# Altium PCB SPEC-A7.PcbDoc (part 7 of 10)
Units mil, origin at the board's own origin, x right, y up, seen from the top; angles counter-clockwise.
Board outline 6299.21 x 3937.01 mil, 6 copper layers (Top Layer, L2, L3, L4, L5, Bottom Layer), stack 61.319 mil thick; 731 components, 479 nets, 2733 pads, 1703 vias.
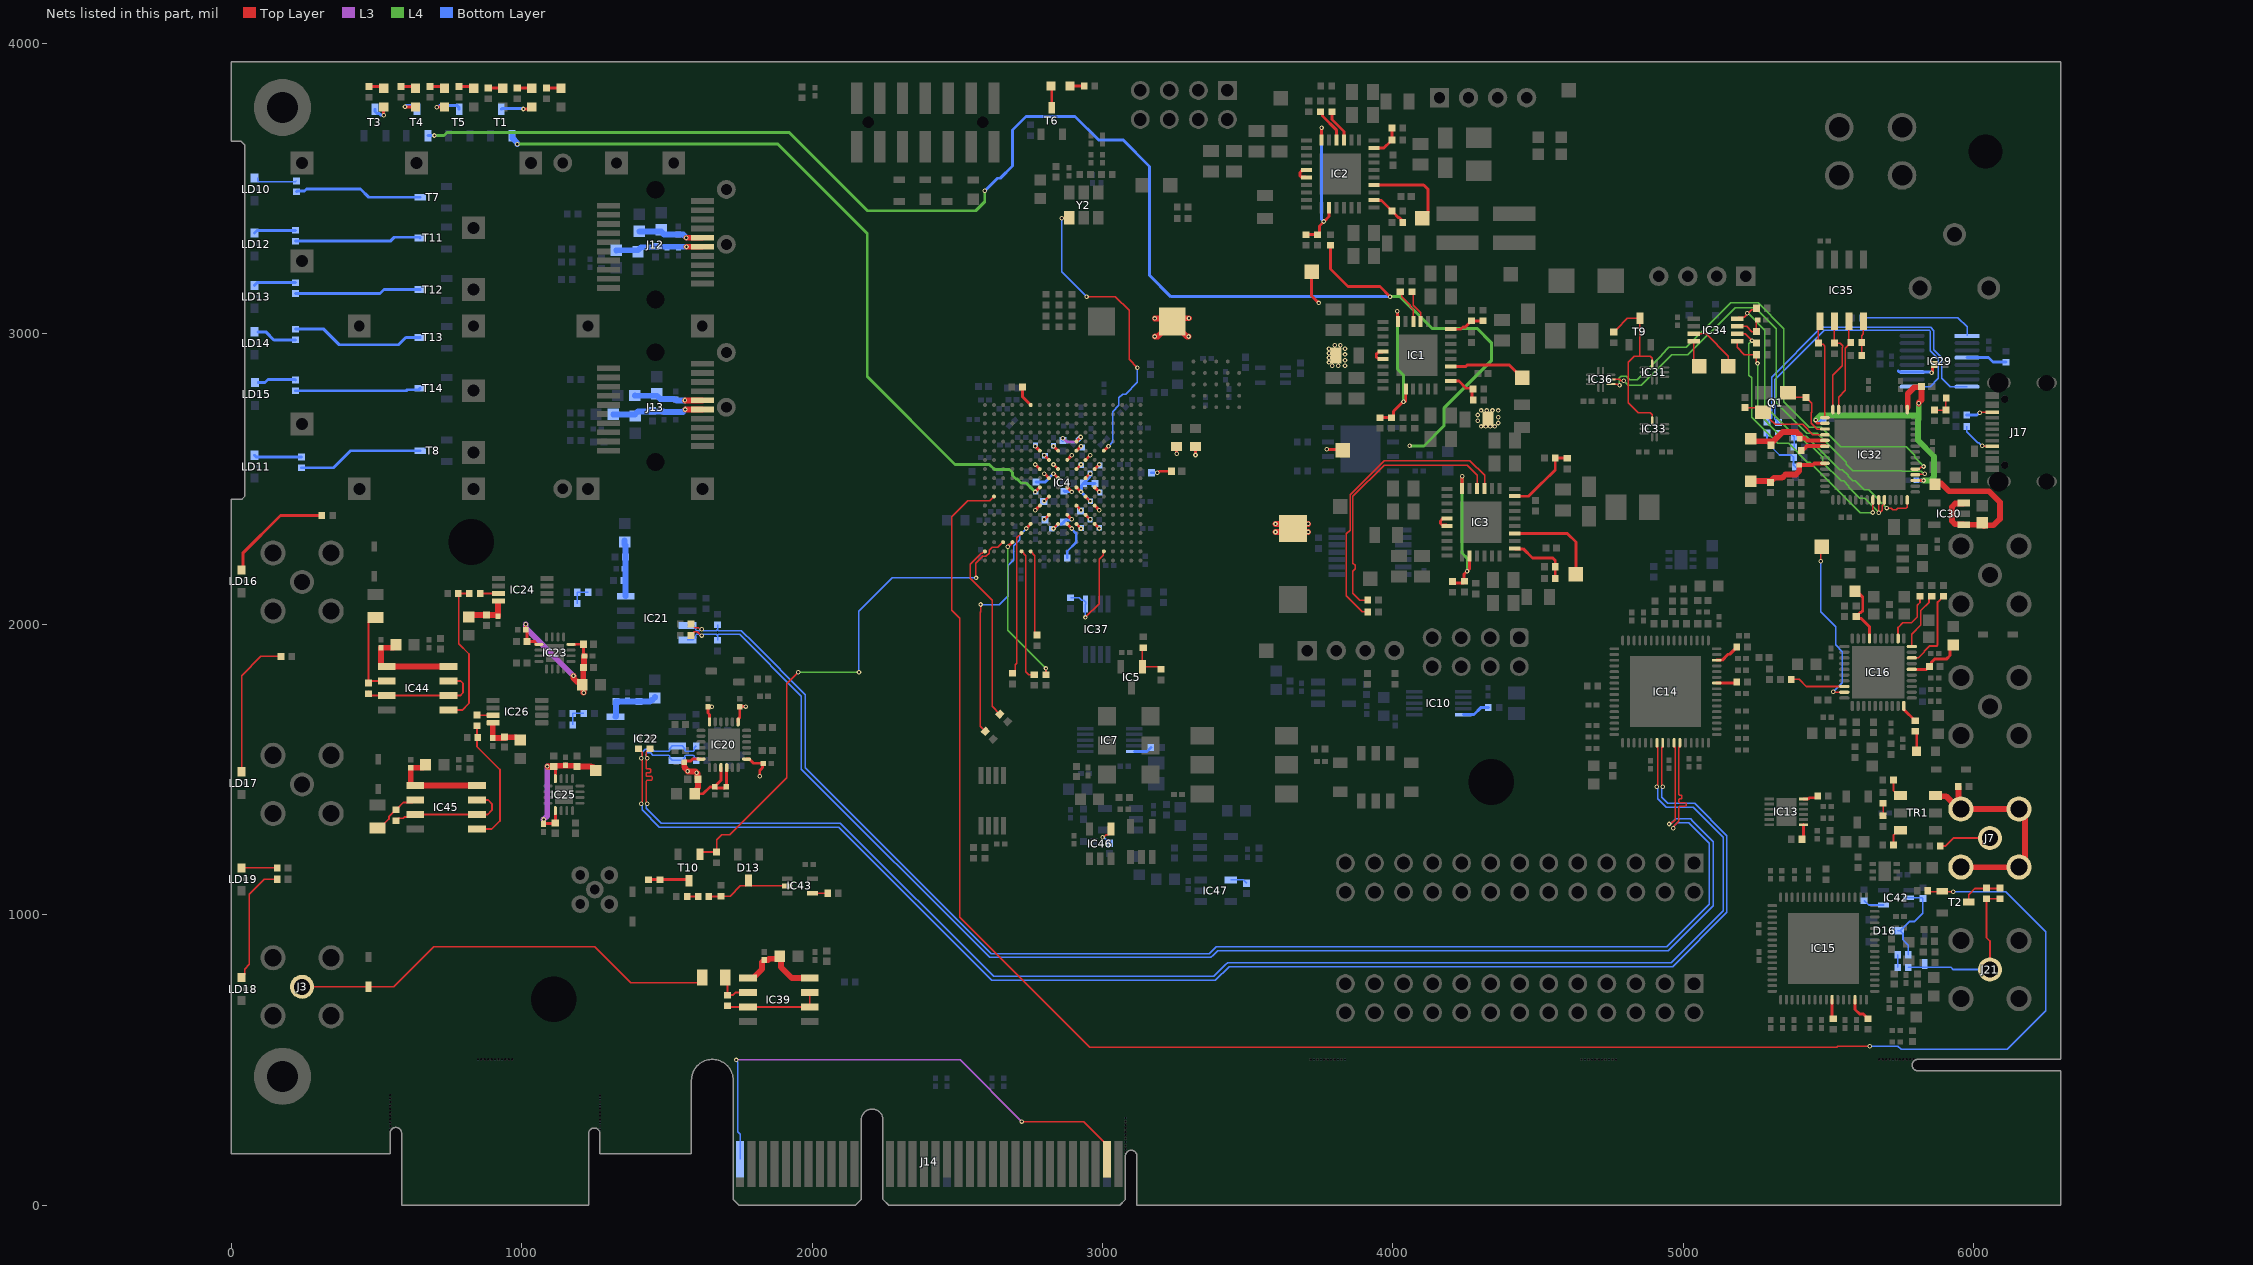
[diagram p11: the nets of this part, all layers, seen from the top]

## Via types
v1: diameter 15.75, hole 7.87, Top Layer to Bottom Layer, tented both sides, 1583 vias
v2: diameter 19.68, hole 7.87, Top Layer to Bottom Layer, tented both sides, 73 vias
v3: diameter 15.75, hole 7.87, Top Layer to Bottom Layer, 47 vias

## Nets (pads, with @x,y where several pads share a name; then routed paths per layer and width w, separated by ;. In a path a pad name is that pad's centre, name@x,y a point inside that pad or via, vN(x,y) a via of type N, cw(c..) or ccw(c..) an arc to the next point about the centre after c; other vN are vias at no path point) (continued)
NetC245_2: C245.2 FB16.2 IC16.26 | length 196.8
  Top Layer w10: IC16.26@5786.14,1844.84 5837.13,1844.84 C245.2@5847.28,1855 5854.49,1862.2 5854.49,1869.14 5866.49,1881.14 5906.42,1881.14 5917.87,1892.6 5917.87,1917.87 FB16.2@5929.13,1929.13
NetC246_2: C246.2 FB17.2 IC16.37 | length 226.3
  Top Layer w10: FB17.2@5585,2125.47 5617.2,2093.27 5617.2,2046.37 5611.35,2040.51 5608.23,2040.51 C246.2@5595,2027.28 5602.2,2020.08 5612.2,2020.08 5640.47,1991.81 IC16.37@5640.47,1951.14 ; FB17.2@5585.67,2114.17 FB17.2@5588.58,2114.17
NetC247_2: C247.2 C248.2 C249.2 FB18.2 IC21.8 | length 193.6
  Bottom Layer w20: FB18.2@1354.33,2288.34 1354.33,2275.14 1357.38,2272.08 C249.2@1357.38,2231.42 1357.38,2191.42 1357.38,2097.4 IC21.8@1358.37,2096.42
NetC250_2: C250.2 C251.2 C252.2 C253.2 C254.2 C255.2 C256.2 FB19.2 IC20.1 IC20.6 IC20.12 IC20.15 IC20.16 IC20.19 | length 739.4
  Top Layer w10: C253.2@1559.81,1525.2 1563.67,1529.06 1582.31,1529.06 1589.24,1535.99 IC20.12@1617.29,1535.99 ; FB19.2@1591.28,1416.42 1624.67,1416.42 1648.45,1440.2 C252.2@1664.67,1440.2 ; IC20.6@1646.81,1663.94 1646.81,1689.27 1641.44,1694.65 1641.44,1716.84 1641.83,1716.45 v1(1655.11,1716.47) ; IC20.15@1686.19,1506.46 1686.19,1480.11 1687.03,1479.26 1687.03,1463.55 1664.67,1441.18 C252.2@1664.67,1440.2 ; IC20.16@1705.87,1506.46 1705.87,1496.13 1704.67,1494.93 1704.67,1439.84 1700.81,1435.98 1668.53,1435.98 1664.67,1439.84 C252.2@1664.67,1440.2 ; IC20.1@1745.24,1663.94 1745.24,1674.28 1751.03,1680.06 C254.2@1751.03,1716.42 1751.19,1716.59 1771.27,1716.59 v1(1771.43,1716.75) ; IC20.19@1774.77,1535.99 1784.12,1535.99 1785.73,1534.38 1785.73,1533.57 1797.89,1521.42 1831.03,1521.42 C250.2@1832.25,1520.2 1828.96,1516.91 1828.96,1506.35 1819.67,1497.05 v1(1819.67,1476.42)
  Top Layer w20: C253.2@1559.81,1525.2 1559.81,1508.2 v1@1571.38,1496.62 ; v1(1571.38,1494.36) 1572.12,1493.62 1597.76,1493.62 1605.18,1486.2 1605.18,1468.62 C256.2@1607.38,1466.42 1607.38,1437 1603.06,1432.67 1603.06,1425.28 1594.79,1417.01 FB19.2@1590.88,1417.01
  other v1: 1602.27,1489.11
NetC257_2: C257.2 C258.2 C259.2 FB20.2 IC22.8 | length 195.8
  Bottom Layer w20: IC22.8@1323.37,1681.42 1324.67,1682.72 C257.2@1324.67,1733.7 C259.2@1404.67,1733.7 1441.94,1733.7 1447.17,1738.93 1450.08,1738.93 1458.94,1747.79 FB20.2@1458.94,1750.7
NetC260_2: C260.2 C261.2 C262.2 C263.2 C264.2 FB21.2 IC23.8 IC23.13 | length 610.1
  Top Layer w10: C262.2@1013.86,1981.38 C262.2@1013.86,1981.38 v1(1013.94,2000.07) v1(1013.94,2000.07) ; C262.2@1017.8,1977.52 C264.2@1017.8,1941.38 1043.35,1941.38 1049.21,1935.52 1049.21,1930.98 1049.29,1930.91 IC23.13@1059.96,1930.91 ; IC23.8@1170.2,1930.91 1170.28,1930.98 1184.76,1930.98 1185.16,1931.38 C263.2@1212.36,1931.38 C261.2@1212.36,1895.24
  Top Layer w20: v1(1178.6,1822.34) 1178.6,1814.55 1192.91,1800.24 1204.6,1800.24 FB21.2@1213.46,1791.38 ; FB21.2@1212.36,1792.48 C260.2@1212.36,1851.38 1214.57,1853.58 1214.57,1889.65 C261.2@1216.3,1891.38 ; v1(1213.46,1764.22) FB21.2@1213.46,1791.38 ; FB21.2@1213.6,1792.56 1212.94,1791.9 FB21.2@1213.46,1791.38
  L3 w20: v1(1013.94,2000.07) 1013.86,1999.99 1013.86,1987.09 v1(1178.6,1822.34)
NetC265_2: C265.2 C266.2 FB22.2 IC24.8 | length 155.1
  Top Layer w20: FB22.2@818.46,2020.51 818.46,2022.75 827.33,2031.61 C265.2@878.46,2031.61 914.53,2031.61 C266.2@918.46,2027.68 918.46,2074.28 IC24.8@919.12,2074.94
NetC267_2: C267.2 C268.2 C269.2 C270.2 C271.2 FB23.2 IC25.8 IC25.13 | length 505.4
  Top Layer w10: v1(1075.67,1328.01) C269.2@1075.67,1312.17 1077.64,1314.13 1113.7,1314.13 C267.2@1115.67,1316.1 1116.06,1316.5 1116.06,1358.19 IC25.13@1116.14,1358.27 ; C270.2@1110.67,1510.67 1116.06,1505.28 1116.06,1468.58 IC25.8@1116.14,1468.5
  Top Layer w20: v1(1087.95,1510.67) C270.2@1110.67,1510.67 1112.87,1512.87 1148.94,1512.87 C268.2@1150.67,1514.61 1152.4,1512.87 1188.46,1512.87 C271.2@1190.67,1510.67 1234.18,1510.67 cw(c1234.18,1480.28) 1251,1505.59 FB23.2@1255.67,1501.77
  L3 w20: v1(1075.67,1328.01) 1087.95,1340.3 v1(1087.95,1510.67)
NetC272_2: C272.2 C273.2 FB24.2 IC26.8 | length 156.3
  Top Layer w20: IC26.8@900.59,1660.04 C273.2@900.59,1608.35 C272.2@943.46,1608.35 ; C272.2@941.77,1611.11 980.7,1611.11 983.85,1607.96 986.73,1607.96 995.59,1599.09 FB24.2@995.59,1596.18
NetC283_2: C283.2 C284.2 C285.2 C286.2 J12.15 L3.2 | length 302.2
  Top Layer w20: v1(1567.56,3299.49) J12.15@1622.05,3299.49
  Bottom Layer w20: L3.2@1325.63,3287.09 1326.08,3287.54 1400.18,3287.54 1400.63,3287.99 1410.71,3298.07 1458.43,3298.07 C284.2@1460.63,3300.28 1461.42,3299.49 v1(1567.56,3299.49)
NetC287_2: C287.2 C288.2 J12.16 L4.2 | length 225.5
  Top Layer w20: v1(1567.2,3330.98) J12.16@1622.05,3330.98
  Bottom Layer w20: L4.2@1405.63,3353.03 1406.08,3352.58 1480.18,3352.58 1480.63,3352.13 1491.26,3341.5 1556.69,3341.5 v1(1567.2,3330.98)
NetC291_2: C291.2 C292.2 C293.2 C294.2 J13.15 L5.2 | length 317.2
  Top Layer w20: v1(1563.7,2739.49) J13.15@1622.05,2739.49
  Bottom Layer w20: L5.2@1315.16,2722.56 1315.37,2722.78 1390.41,2722.78 1390.63,2722.99 1400.71,2733.07 1448.43,2733.07 C292.2@1450.63,2735.28 1452.83,2733.07 1488.9,2733.07 C293.2@1490.63,2731.34 C294.2@1530.63,2731.34 1555.55,2731.34 v1(1563.7,2739.49)
NetC295_2: C295.2 C296.2 J13.16 L6.2 | length 239.6
  Top Layer w20: v1(1562.2,2770.98) J13.16@1622.05,2770.98
  Bottom Layer w20: L6.2@1390.16,2787.56 1389.72,2787.13 1465.63,2787.13 1477.28,2775.47 1524.17,2775.47 1525.87,2773.78 C296.2@1530.63,2773.78 1533.43,2770.98 v1(1562.2,2770.98)
NetC301_2: C301.2 IC30.1 IC30.3 L7.2 | length 564.5
  Top Layer w20: 5887.62,2485.04 5914.55,2458.11 6051.89,2458.11 6090,2420 6090,2362.94 6067.85,2340.78 6036.33,2340.78 6034.36,2338.82 6030.27,2342.91 IC30.1@5965.54,2342.91 5963.73,2344.72 5934.95,2344.72 5924.36,2355.31 5924.36,2404.19 5936.08,2415.9 5963.73,2415.9 IC30.3@5965.54,2417.71
NetC303_2: C303.2 FB27.2 IC39.1 IC39.8 | length 297.3
  Top Layer w20: IC39.1@1779.05,782.58 1797.76,782.58 1827.85,812.68 1827.85,836.3 C303.2@1835.35,843.8 1847.71,843.8 1852.63,848.72 1891.69,848.72 1892.51,847.9 1892.51,820.43 1930.35,782.58 IC39.8@1991.65,782.58
NetC312_2: C312.2 IC32.3 Q1.1 | length 248.8
  Top Layer w5: Q1.1@5380,2816.64 Q1.1@5360.37,2797.01 5376.12,2781.26 C312.2@5422.06,2781.26 5431.77,2771.56 5431.77,2771.14 5441.77,2761.14 5441.77,2730.52 5440,2728.75 5440,2692.98 5460.69,2672.28 IC32.3@5487.06,2672.28
NetC313_2: C313.2 IC32.4 Q1.3 | length 315.9
  Top Layer w5: C313.2@5212.06,2745.83 5258.01,2745.83 Q1.3@5273.75,2730.08 5277.69,2730.08 5298.81,2708.96 5298.81,2705.02 5315.86,2687.98 5410,2687.98 5445.38,2652.6 IC32.4@5487.06,2652.6
NetC314_1: C314.1 IC34.7 R115.2 | length 114.4
  Top Layer w5: IC34.7@5184.8,3025.77 5217.2,3025.77 5235,3007.98 R115.2@5251.5,3007.98 5251.5,3047.19 C314.1@5252.28,3047.98
NetC315_2: C315.2 C316.2 IC32.5 L8.2 | length 294.2
  Top Layer w14: C316.2@5400.84,2638.54 5402.7,2640.4 5410.24,2640.4 5411.88,2642.04 5415.94,2642.04 5425,2632.98 5487,2632.98 IC32.5@5487.06,2632.91
  Top Layer w20: L8.2@5232.06,2638.07 5240.21,2629.92 5309.59,2629.92 5342.08,2662.4 5389.34,2662.4 5400.84,2650.9 C316.2@5400.84,2638.54
NetC317_2: C317.2 C318.2 IC32.9 L9.2 | length 292.3
  Top Layer w14: C318.2@5398.78,2547.98 5445,2547.98 5451.2,2554.17 IC32.9@5487.06,2554.17
  Top Layer w20: L9.2@5232.06,2493.07 5301.16,2493.07 5302.06,2493.98 5312.73,2504.65 5339.82,2504.65 5350.93,2515.75 5387.06,2515.75 5398.78,2527.46 C318.2@5398.78,2547.98
NetC333_1: C333.1 R174.2 R175.1 | length 181.8
  Bottom Layer w6: R175.1@5287.4,2658.66 5287.4,2625.98 5330.71,2582.68 5371.26,2582.68 R174.2@5379.13,2574.8 5379.13,2548.03 C333.1@5385.83,2541.34
NetC334_2: C334.2 R176.2 R200.1 | length 96.6
  Bottom Layer w6: R200.1@5326.77,2657.48 5370.08,2657.48 C334.2@5381.89,2645.67 5381.89,2612.99 R176.2@5379.13,2610.24
NetC338_2: C338.2 IC46.4 | length 79.3
  Top Layer w5: v3(3000,1266.72) 3002.91,1266.72 3012.31,1276.12 3020.22,1276.12 3029.53,1285.43 IC46.4@3029.53,1295.28
  Bottom Layer w5: v3(3000,1266.72) 3002.06,1264.66 3005.02,1264.66 C338.2@3023.62,1246.06
NetC339_2: C339.2 IC47.4 | length 60
  Bottom Layer w5: IC47.4@3440.94,1120.08 3484.25,1120.08 C339.2@3496.06,1108.27
NetC354_2: C354.2 FB30.2 IC44.1 IC44.8 | length 351.8
  Top Layer w20: FB30.2@566.93,1929.13 566.93,1928.15 558.23,1919.45 518.23,1919.45 518.07,1919.29 C354.2@515.75,1919.29 515.75,1856.34 517.56,1854.53 IC44.1@535.43,1854.53 IC44.8@748.03,1854.53
NetC357_2: C357.2 FB31.2 IC45.1 IC45.8 | length 343.9
  Top Layer w20: FB31.2@669.29,1515.75 669.29,1514.76 660.59,1506.06 620.59,1506.06 620.43,1505.91 C357.2@618.11,1505.91 618.11,1446.89 619.92,1445.08 IC45.1@633.86,1445.08 IC45.8@846.46,1445.08
NetD13_3: D13.3 IC43.2 R148.2 R152.2 | length 283
  Top Layer w6: R148.2@1644.65,1062.51 1684.65,1062.51 R152.2@1686.14,1064 1717.64,1064 1753.2,1099.56 1771.35,1099.56 D13.3@1781.14,1109.36 ; D13.3@1781.14,1117.23 D13.3@1781.14,1109.36 ; IC43.2@1896.29,1099.56 1829.09,1099.56 1790.94,1099.56 D13.3@1781.14,1109.36
NetD14_1: D14.1 J3.1 R154.1 | length 1490.2
  Top Layer w6: J3.1@244.09,751.97 D14.1@472.44,751.97 559.06,751.97 696.85,889.76 1251.97,889.76 1375.64,766.09 R154.1@1625.98,766.09
NetD15_1: D15.1 J21.1 R80.1 R165.2 R166.2 | length 580.2
  Top Layer w6: J21.1@6055.12,811.02 6055.12,909.45 6043.31,921.26 R165.2@6043.31,1055.12 R166.2@6090.55,1055.12
  Bottom Layer w6: R80.1@5774.41,818.9 5921.26,818.9 5929.13,811.02 J21.1@6055.12,811.02
NetD16_3: D16.3 IC42.2 R83.2 R177.2 | length 308.4
  Bottom Layer w6: D16.3@5738.19,944.88 D16.3@5746.06,944.88 ; IC42.2@5772.96,1058.74 5821.39,1058.74 R177.2@5824.14,1055.99 5824.14,1005.24 5795.28,976.38 5777.56,976.38 D16.3@5746.06,944.88 ; R83.2@5774.41,862.2 5774.41,894.88 5755.86,913.43 5755.86,935.09 D16.3@5746.06,944.88
NetIC1_3: IC1.3 R6.2 | length 111.9
  Top Layer w5: R6.2@4070,3144.47 4070,3097.98 4095.11,3072.87 IC1.3@4095.11,3042.96
NetIC1_4: IC1.4 R10.2 | length 118.1
  Top Layer w5: R10.2@4030,3144.47 4030,3127.98 4060,3097.98 4060,3093.84 4070,3083.84 IC1.4@4070,3042.98
NetIC1_6: IC1.6 IC1.18 R4.1 R9.2 | length 518
  Top Layer w10: R9.2@3955,2711.48 3995.79,2711.48 4002.2,2717.9 4002.2,2733.26 4035.47,2766.52 v1(4036.06,2766.52) ; v1(4015,3077.98) 4015,3076.42 4016.14,3075.29 4016.14,3044.85 IC1.6@4018.03,3042.96 ; v1@4038.36,2764.22 4043.93,2769.79 IC1.18@4043.93,2809.69
  L4 w10: v1(4015,3077.98) 4015,3032.14 4016.14,3031 4016.14,3016.2 4015,3015.06 4015,2878.39 4036.06,2857.33 v1(4036.06,2766.52)
NetIC1_11: IC1.11 IC1.12 | length 62.3
  Top Layer w10: IC1.12@3965.68,2913.53 3963.79,2915.42 3948.13,2915.42 3942.27,2921.28 3942.27,2929.56 3949.94,2937.23 3963.79,2937.23 IC1.11@3965.68,2939.12
NetIC1_24: IC1.24 R13.2 R14.1 | length 125
  Top Layer w10: IC1.24@4198.95,2836.76 4199.55,2837.36 4226.85,2837.36 4251.44,2812.76 4266.71,2812.76 4271.5,2807.98 R14.1@4271.5,2767.98
NetIC1_26: IC1.26 TP1.1 | length 266.5
  Top Layer w10: IC1.26@4198.95,2887.94 4250.94,2887.94 4255.66,2892.66 4400.31,2892.66 TP1.1@4445,2847.98
NetIC1_31: IC1.31 R11.1 R12.2 | length 122.9
  Top Layer w10: IC1.31@4198.95,3015.89 4232.91,3015.89 4240.94,3023.91 4248.65,3023.91 4269.21,3044.47 R11.1@4270,3044.47 R12.2@4310,3044.47
NetIC2_3: IC2.3 R17.2 | length 114.1
  Top Layer w10: R17.2@3790,3764.47 3790,3737.98 3831.16,3696.82 IC2.3@3831.16,3667.41
NetIC2_4: IC2.4 R19.2 | length 120.7
  Top Layer w10: R19.2@3750,3764.47 3750.79,3764.47 3757.2,3758.06 3757.2,3749.56 3806.05,3700.71 IC2.4@3806.05,3667.43
NetIC2_6: IC2.6 IC2.18 R16.1 R18.2 | length 518.7
  Top Layer w10: R16.1@3700,3341.48 R18.2@3740,3341.48 3740.79,3341.48 3747.2,3347.9 3747.2,3370.91 v1@3760.87,3384.58 ; IC2.6@3754.07,3667.41 v1(3754.07,3709.7) ; v1@3761.31,3384.14 v1(3761.31,3386.67) ; v1@3762.14,3385.84 3779.98,3403.69 IC2.18@3779.98,3434.14
  Bottom Layer w10: v1(3754.07,3709.7) 3754.07,3393.9 v1(3761.31,3386.67)
NetIC2_11: IC2.11 IC2.12 | length 61.1
  Top Layer w10: IC2.12@3701.73,3537.98 3699.84,3539.87 3683.97,3539.87 3680,3543.84 3680,3555.82 3685.86,3561.68 3699.84,3561.68 IC2.11@3701.73,3563.57
NetIC2_24: IC2.24 R22.1 R23.2 | length 135.5
  Top Layer w10: IC2.24@3935,3461.21 3936.89,3459.32 3960.16,3459.32 3989.29,3430.18 3990.08,3430.18 3996.5,3423.77 R23.2@3996.5,3422.98 3996.5,3422.19 4002.91,3415.77 4003.7,3415.77 4012.09,3407.39 4012.09,3406.63 4017.94,3400.77 4021.23,3400.77 4027.09,3394.92 4027.09,3389.39 R22.1@4033.5,3382.98
NetIC2_26: IC2.26 TP2.1 | length 299.3
  Top Layer w10: IC2.26@3935,3512.39 4105.59,3512.39 4120,3497.98 4120,3417.98 TP2.1@4100,3397.98
NetIC2_31: IC2.31 R20.1 R21.2 | length 113.4
  Top Layer w10: IC2.31@3935,3640.34 3968.86,3640.34 3989.29,3660.77 3990.08,3660.77 3996.5,3667.19 R21.2@3996.5,3667.98 R20.1@3996.5,3707.98
NetIC3_3: IC3.3 R26.2 | length 1027.1
  Top Layer w5: R26.2@3913.27,2042.98 3894.03,2042.98 3838.96,2098.05 3838.96,2311.21 3852.15,2324.4 3852.15,2445.12 3970,2562.98 4265,2562.98 4315.11,2512.87 IC3.3@4315.11,2467.96
NetIC3_4: IC3.4 R28.2 | length 932.8
  Top Layer w5: R28.2@3913.27,2082.98 3885.53,2082.98 3862.2,2106.3 3862.2,2182.98 3869.7,2190.48 3869.7,2203.22 3862.2,2210.72 3862.2,2440.18 3970,2547.98 4255,2547.98 4290,2512.98 IC3.4@4290,2467.98
NetIC3_6: IC3.6 IC3.18 R25.2 R27.1 | length 517.2
  Top Layer w10: R27.1@4205,2141.48 4245,2141.48 4245,2172.98 4254.66,2182.64 v1(4255,2182.64) ; IC3.6@4238.03,2467.96 v1(4238.03,2509.56) ; v1@4255,2182.98 4263.93,2191.91 IC3.18@4263.93,2234.69
  L4 w10: v1(4238.03,2509.56) 4238.03,2244.95 4255.9,2227.08 4255.9,2183.54 v1(4255,2182.64)
NetIC3_11: IC3.11 IC3.12 | length 62.3
  Top Layer w10: IC3.12@4186.63,2339.47 4184.74,2341.36 4169.07,2341.36 4163.21,2347.22 4163.21,2355.51 4170.88,2363.17 4184.74,2363.17 IC3.11@4186.63,2365.06
NetIC3_24: IC3.24 R38.1 R39.2 | length 218.6
  Top Layer w10: IC3.24@4418.95,2261.76 4420.84,2259.87 4448.11,2259.87 4480,2227.98 4550,2227.98 4558.5,2219.47 R39.2@4558.5,2197.98 R38.1@4558.5,2157.98
NetIC3_26: IC3.26 TP3.1 | length 333.5
  Top Layer w10: IC3.26@4418.95,2312.94 4600.04,2312.94 4630,2282.98 TP3.1@4630,2172.98
NetIC3_31: IC3.31 R29.1 R37.2 | length 260.7
  Top Layer w10: IC3.31@4418.95,2440.89 4466.65,2440.89 4511.94,2486.19 4513.21,2486.19 4558.5,2531.48 R29.1@4558.5,2572.98 4559.25,2572.23 4599.25,2572.23 R37.2@4600,2571.48
NetIC4_A6: IC4.A6 R42.1 | length 73.7
  Top Layer w10: R42.1@2724.29,2816.94 2724.29,2783.18 IC4.A6@2752.52,2754.95
NetIC4_J9: IC4.J9 L1.1 | length 95.1
  Top Layer w10: v1(2831.26,2518.73) IC4.J9@2847.01,2502.98
  Bottom Layer w10: L1.1@2770.72,2489.17 2801.7,2489.17 v1(2831.26,2518.73)
NetIC4_K10: IC4.K10 R147.1 | length 50.4
  Top Layer w10: IC4.K10@2878.5,2471.48 v1(2894.25,2455.73)
  Bottom Layer w10: R147.1@2867.32,2458.59 2869.08,2456.83 2893.15,2456.83 v1(2894.25,2455.73)
NetIC4_L2: IC4.L2 R178.2 T2.1 | length 6288.4
  Top Layer w5: IC4.L2@2626.54,2439.99 2611.75,2425.2 2535.43,2425.2 2480.32,2370.08 2480.32,2047.64 2507.87,2020.08 2507.87,992.13 2956.69,543.31 5527.56,543.31 5531.5,547.24 v1(5641.73,547.24) ; R178.2@5841.34,1082.68 5845.28,1078.74 v1(5929.13,1078.74)
  Bottom Layer w5: v1(5641.73,547.24) 5738.64,547.24 5749.01,536.87 6115.61,536.87 6248.03,669.29 6248.03,940.94 6110.24,1078.74 v1(5929.13,1078.74)
NetIC4_P6: IC4.P6 R160.1 | length 831.9
  Top Layer w5: 2578.89,1989.35 2578.89,1649.09 R160.1@2596.92,1631.06 ; 2578.88,1989.36 2578.88,2041.98 2580,2043.1 v1(2580,2067.98)
  Top Layer w10: v1(2737.02,2329.69) 2737.02,2329.84 2752.52,2345.35 IC4.P6@2752.52,2345.5
  Bottom Layer w5: v1(2580,2067.98) 2645,2067.98 2675,2097.98 2675,2202.98 2695,2222.98 2695,2270.62 2715.21,2290.84 2715.21,2307.89 v1(2737.02,2329.69)
NetIC4_P10: IC4.P10 R43.1 | length 142.7
  Top Layer w10: IC4.P10@2878.5,2345.5 v1(2894.25,2329.75)
  Bottom Layer w8: R43.1@2878.5,2227.98 2878.5,2251.48 2908.93,2281.9 2908.93,2312.98 2894.25,2327.65 v1(2894.25,2329.75)
NetIC4_R5: IC4.R5 R163.1 | length 496.5
  Top Layer w5: R163.1@2690,1831.48 2690.79,1831.48 2699.7,1840.4 2699.7,1860.94 2704.46,1865.7 2704.46,2097.3 2705.14,2097.98 2705.14,2136.1 2704.37,2136.86 2704.37,2297.35 IC4.R5@2721.02,2314
NetIC4_T3: IC4.T3 R153.2 T10.1 | length 1862.9
  Top Layer w5: R153.2@1671.14,1216.01 1671.14,1257.76 1688.98,1275.59 1716.54,1275.59 1913.39,1472.44 1913.39,1795.28 v3(1952.76,1834.65) ; v1(2564.46,2159.61) 2563.92,2159.06 2563.92,2210.13 2587.69,2233.9 2598.28,2233.9 2609.43,2245.05 2609.43,2254.25 2620.58,2265.4 2639.63,2265.4 2656.74,2282.51 IC4.T3@2658.03,2282.51
  Top Layer w6: T10.1@1613.54,1207.78 1621.77,1216.01 R153.2@1671.14,1216.01
  L4 w5: v3(1952.76,1834.65) v3(2161.42,1834.65)
  Bottom Layer w5: v3(2161.42,1834.65) 2161.42,2044.4 2276.63,2159.61 v1(2564.46,2159.61)
NetIC4_T4: IC4.T4 R164.1 | length 516.9
  Top Layer w6: R164.1@2805,1826.48 v1(2805,1847.98)
  Top Layer w10: v1(2673.78,2266.76) IC4.T4@2689.53,2282.51
  L4 w5: v1(2673.78,2266.76) 2673.78,1979.2 v1(2805,1847.98)
NetIC4_U1: IC4.U1 R159.1 | length 626.9
  Top Layer w5: IC4.U1@2595.04,2251.01 2592.66,2251.01 2585.56,2243.9 2581.78,2243.9 2545,2207.12 2545,2157.98 2549.09,2153.89 2549.09,2153.24 2558.1,2144.23 2558.75,2144.23 2619.63,2083.35 2619.63,1718.35 R159.1@2646.92,1691.06
NetIC4_U5: IC4.U5 R162.1 | length 453.6
  Top Layer w5: IC4.U5@2721.02,2251.01 2736.19,2235.84 2736.19,1836.78 2746.5,1826.48 R162.1@2765,1826.48
NetIC4_U6: IC4.U6 R161.1 | length 297.3
  Top Layer w5: IC4.U6@2752.52,2251.01 2766.91,2236.62 2766.91,1971.07 R161.1@2775,1962.98
NetIC5_1: IC5.1 R44.2 R170.1 | length 133.9
  Top Layer w5: R44.2@3140,1919.47 3137.4,1916.88 IC5.1@3137.4,1853.41 3192.65,1853.41 R170.1@3200.79,1845.28
NetIC7_10: IC7.10 R51.1 | length 63.3
  Bottom Layer w10: IC7.10@3109.53,1562.03 3152.8,1562.03 3166.38,1575.62 R51.1@3166.38,1576.4
NetIC10_10: IC10.10 R52.1 | length 96.1
  Bottom Layer w10: IC10.10@4242.13,1688.98 4243.03,1689.88 4278.94,1689.88 4301.93,1712.87 R52.1@4328.35,1712.85
NetIC13_1: IC13.1 R63.2 | length 50.2
  Top Layer w10: R63.2@5413.39,1259.84 IC13.1@5413.39,1310.04
NetIC13_6: IC13.6 R64.2 | length 50.1
  Top Layer w10: IC13.6@5413.39,1398.62 5413.46,1398.7 5429.44,1398.7 5433.49,1402.76 R64.2@5461.77,1402.76
NetIC14_58: IC14.58 R68.2 | length 70.7
  Top Layer w10: IC14.58@5114.53,1797.54 5114.61,1797.62 5179.21,1797.62 R68.2@5183.43,1801.84
NetIC14_62: IC14.62 R70.2 | length 88.2
  Top Layer w10: IC14.62@5114.53,1876.28 5114.61,1876.36 5133.39,1876.36 5153.86,1896.84 5159.21,1896.84 5183.43,1921.05 R70.2@5183.43,1921.84
NetIC15_58: IC15.58 R69.2 | length 66.9
  Top Layer w10: IC15.58@5511.81,707.68 5511.89,707.6 5511.89,646.06 R69.2@5515.63,642.32
NetIC15_62: IC15.62 R71.2 | length 91.9
  Top Layer w10: IC15.62@5590.55,707.68 5590.55,673.9 5605.63,658.82 5618.35,658.82 5634.84,642.32 R71.2@5635.63,642.32
NetIC16_8: IC16.8 R53.2 | length 192.9
  Top Layer w6: R53.2@5371.08,1810.34 5398.32,1810.34 5422.87,1785.79 IC16.8@5553.86,1785.79
NetIC16_9: IC16.9 TP12.1 | length 584.4
  Top Layer w5: v1(5472.44,2216.54) 5472.44,2263.78 TP12.1@5476.38,2267.72 ; v1(5515.75,1767.72) 5517.36,1766.1 IC16.9@5553.86,1766.1